# KiCad board SuperBrick5.kicad_pcb (continued)
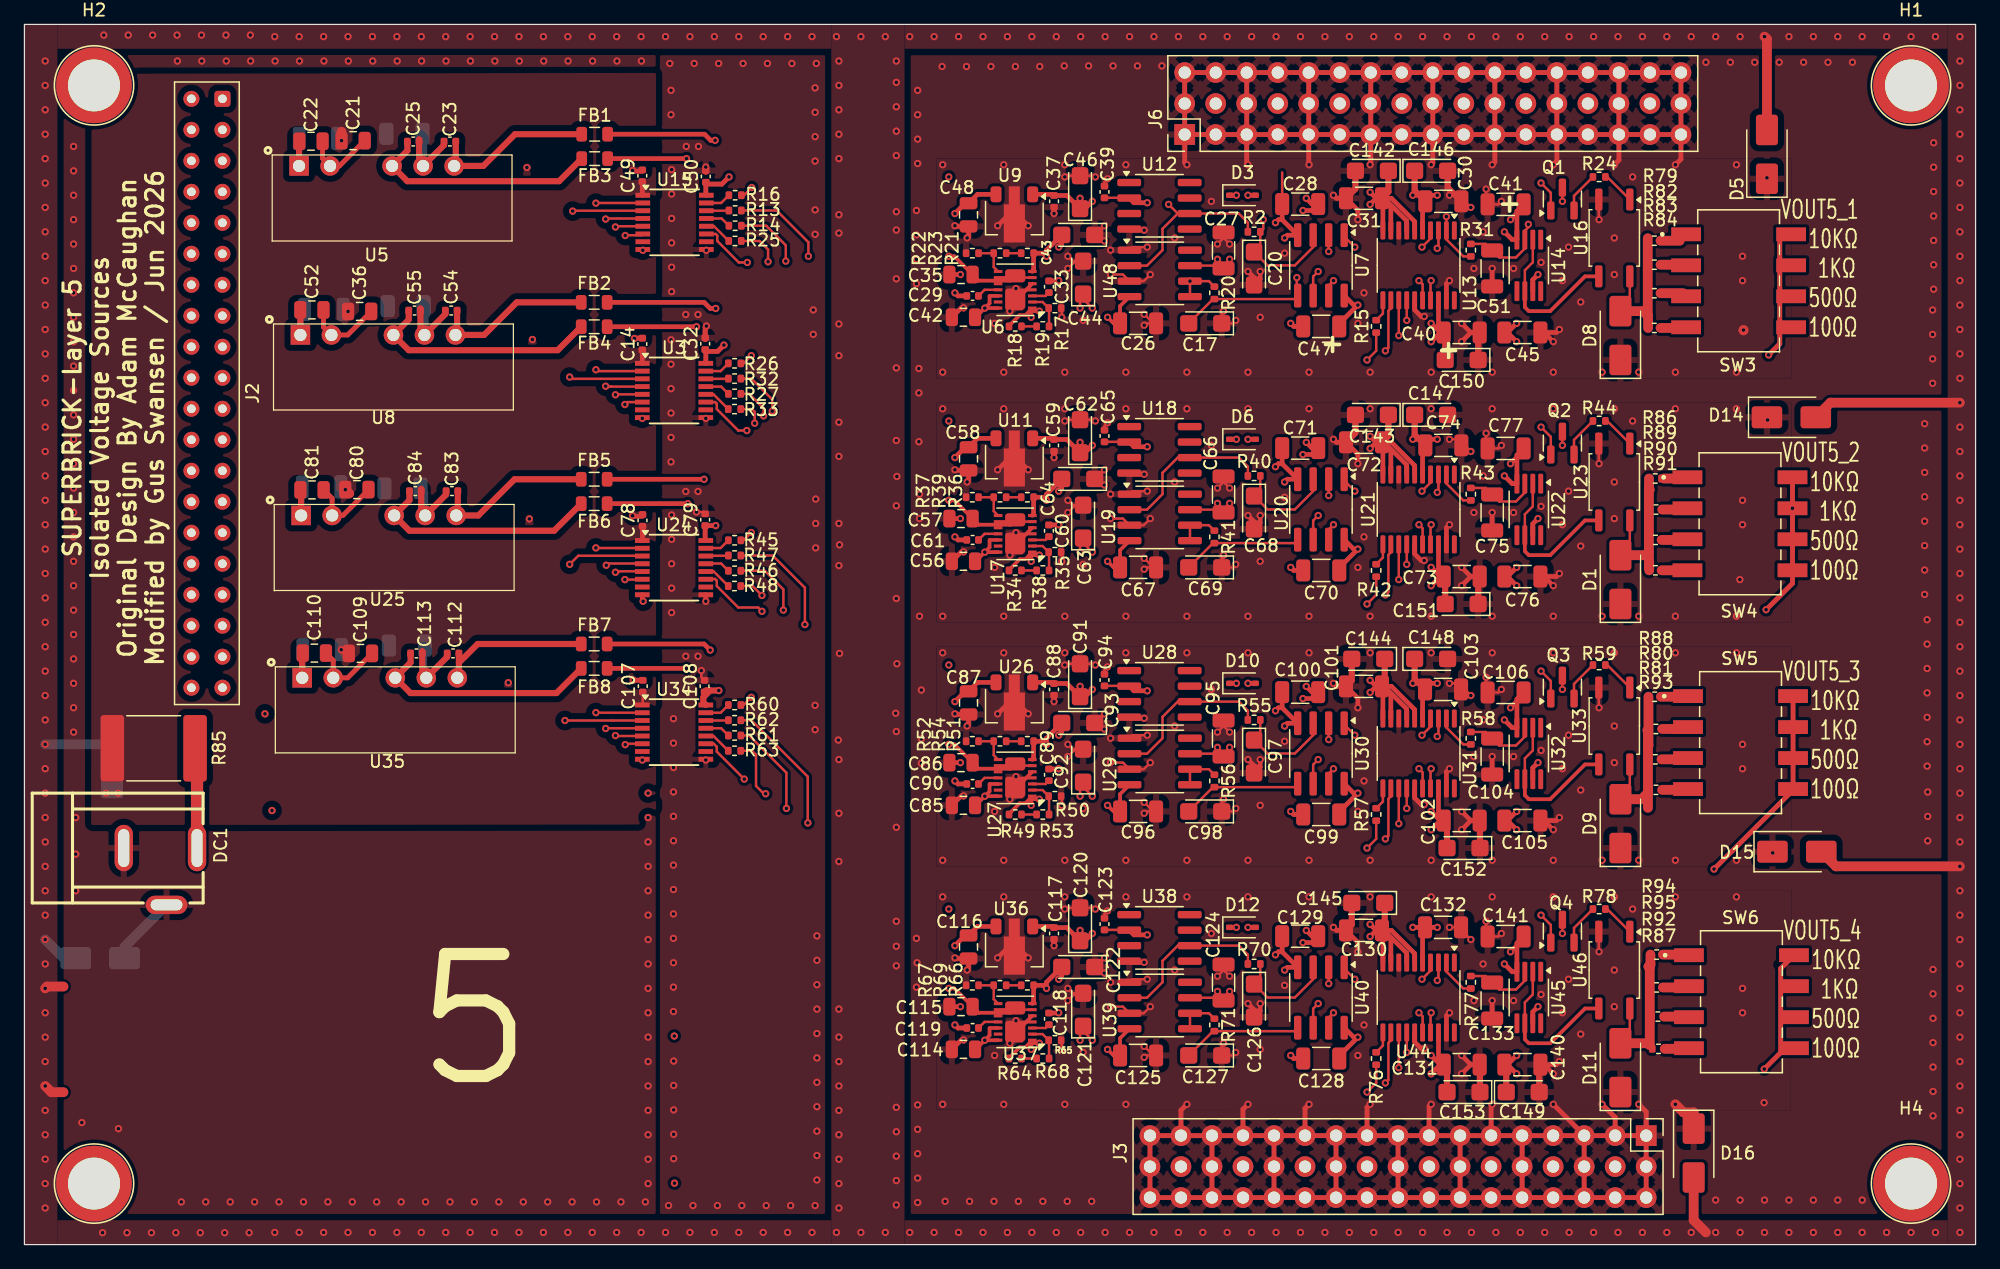
[diagram p0: board, top side]
## Library data of the parts (continued)
U9 U11 U26 U36 = -: Datasheet: https://www.onsemi.com/pub/Collateral/MC78L00A-D.PDF; Description: Positive 100mA 30V Linear Regulator, Fixed Output 5V, SOT-89; LCSC: C71136; ki_fp_filters: SOT?89*
U12 U18 U28 U38 = -: Datasheet: http://www.ti.com/lit/ds/symlink/ref102.pdf; Description: 10V ±10mV Precision Voltage Reference, SO-8; LCSC: C183082; ki_fp_filters: SOIC*3.9x4.9mm*P1.27mm*
U13 U21 U31 U44 = -: Datasheet: https://www.analog.com/media/en/technical-documentation/data-sheets/ad5781.pdf; Description: 18Bit, ±0,5 LSB INL, Voltage Output DAC, TSSOP-20; LCSC: C650269; ki_fp_filters: TSSOP*4.4?6.5mm*P0.65mm*
U14 U22 U32 U45 = -: Datasheet: https://www.analog.com/media/en/technical-documentation/data-sheets/AD8675.pdf; Description: 36 V Precision, 2.8 nV/√Hz Rail-to-Rail Output Op Amp; LCSC: C208295
U16 U23 U33 U46 = -: Datasheet: https://wmsc.lcsc.com/wmsc/upload/file/pdf/v2/lcsc/2211281630_Omron-Electronics-G3VM-61VY3-TR_C2152318.pdf; Description: 1.2V 40V 60mΩ 2.5A SOP-4 Solid State Relays (MOS Output) ROHS; LCSC: C7435104; ki_fp_filters: SO*4.4x3.9mm*P2.54mm*
U19 U29 U39 U48 = -: Datasheet: https://www.analog.com/media/en/technical-documentation/data-sheets/AD8276_8277.pdf; Description: Low Power, Wide Supply Range, Low Cost Unity-Gain Difference Amplifier, SOIC-8/MSOP-8; LCSC: C514259; ki_fp_filters: SOIC*3.9x4.9mm*P1.27mm* MSOP*3x3mm*P0.65mm*

## Footprints (pads in the part's own frame, mm; a bottom-side part is the same pattern mirrored in y, then rotated)
C_0402_1005Metric
  rrect 0.56x0.62 smd: 1(-0.48,0) 2(0.48,0)
C_0805_2012Metric
  rrect 1x1.45 smd: 1(-0.95,0) 2(0.95,0)
C_1206_3216Metric
  rrect 1.15x1.8 smd: 1(-1.475,0) 2(1.475,0)
CP_EIA-3216-18_Kemet-A
  rrect 1.4x1.35 smd: 1(-1.35,0) 2(1.35,0)
D_SMA
  rrect 2.5x1.8 smd: 1(-2,0) 2(2,0)
D_SOD-323
  rrect 0.6x0.45 smd: 1(-1.05,0) 2(1.05,0)
DC-IN-TH_DC-005-A200
  oval 1.5x3.8 hole 0.9x3.1: 1(3,2.33) 2(-3,2.33)
  oval 3.4x1.5 hole 2.6x0.9: 3(0.5,-2.33)
Fuse_2920_7451Metric
  rrect 1.925x5.45 smd: 1(-3.388,0) 2(3.388,0)
L_0805_2012Metric
  rrect 0.875x1.2 smd: 1(-1.062,0) 2(1.062,0)
L_1206_3216Metric
  rrect 1.05x1.9 smd: 1(-1.575,0) 2(1.575,0)
Linear_DE14MA
  rect 0.7x0.25 smd: 1(-1.4,1.5) 2(-1.4,1) 3(-1.4,0.5) 5(-1.4,-0.5) 6(-1.4,-1) 7(-1.4,-1.5) 8(1.4,-1.5) 10(1.4,-0.5) 11(1.4,0) 12(1.4,0.5) 13(1.4,1) 14(1.4,1.5)
  custom 2.575x1.805 smd: 4(0,0.79)
  custom 2.575x1.07 smd: 9(0,-1.145)
MSOP-8_3x3mm_P0.65mm
  rrect 1.625x0.4 smd: 1(-2.112,0.975) 2(-2.112,0.325) 3(-2.112,-0.325) 4(-2.112,-0.975) 5(2.112,-0.975) 6(2.112,-0.325) 7(2.112,0.325) 8(2.112,0.975)
PinHeader_3x17_P2.54mm_Vertical
  rect 1.7x1.7 hole 1: 1(0,0)
  round 1.7 hole 1: 2(2.54,0) 3(5.08,0) 4(0,-2.54) 5(2.54,-2.54) 6(5.08,-2.54) 7(0,-5.08) 8(2.54,-5.08) 9(5.08,-5.08) 10(0,-7.62) 11(2.54,-7.62) 12(5.08,-7.62) 13(0,-10.16) 14(2.54,-10.16) 15(5.08,-10.16) 16(0,-12.7) 17(2.54,-12.7) 18(5.08,-12.7) 19(0,-15.24) 20(2.54,-15.24) 21(5.08,-15.24) 22(0,-17.78) 23(2.54,-17.78) 24(5.08,-17.78) 25(0,-20.32) 26(2.54,-20.32) 27(5.08,-20.32) 28(0,-22.86) 29(2.54,-22.86) 30(5.08,-22.86) 31(0,-25.4) 32(2.54,-25.4) 33(5.08,-25.4) 34(0,-27.94) 35(2.54,-27.94) 36(5.08,-27.94) 37(0,-30.48) 38(2.54,-30.48) 39(5.08,-30.48) 40(0,-33.02) 41(2.54,-33.02) 42(5.08,-33.02) 43(0,-35.56) 44(2.54,-35.56) 45(5.08,-35.56) 46(0,-38.1) 47(2.54,-38.1) 48(5.08,-38.1) 49(0,-40.64) 50(2.54,-40.64) 51(5.08,-40.64)
PWRM-TH_AXXXXS-2WR3
  rect 1.6x1.6 hole 1: 1(-6.35,0)
  round 1.6 hole 1: 2(-3.81,0) 4(1.27,0) 5(3.81,0) 6(6.35,0)
R_0402_1005Metric
  rrect 0.54x0.64 smd: 1(-0.51,0) 2(0.51,0)
Samtec_HLE-120-02-xx-DV-TE_2x20_P2.54mm_Horizontal
  rrect 1.31x1.31 hole 0.71: 1(0,0)
  round 1.31 hole 0.71: 2(0,-2.54) 3(2.54,0) 4(2.54,-2.54) 5(5.08,0) 6(5.08,-2.54) 7(7.62,0) 8(7.62,-2.54) 9(10.16,0) 10(10.16,-2.54) 11(12.7,0) 12(12.7,-2.54) 13(15.24,0) 14(15.24,-2.54) 15(17.78,0) 16(17.78,-2.54) 17(20.32,0) 18(20.32,-2.54) 19(22.86,0) 20(22.86,-2.54) 21(25.4,0) 22(25.4,-2.54) 23(27.94,0) 24(27.94,-2.54) 25(30.48,0) 26(30.48,-2.54) 27(33.02,0) 28(33.02,-2.54) 29(35.56,0) 30(35.56,-2.54) 31(38.1,0) 32(38.1,-2.54) 33(40.64,0) 34(40.64,-2.54) 35(43.18,0) 36(43.18,-2.54) 37(45.72,0) 38(45.72,-2.54) 39(48.26,0) 40(48.26,-2.54)
SMD_BD5.6-L5.6-W5.6-D4.1
  round 6.2 hole 4.25: 1(0,0)
SO-4_4.4x3.9mm_P2.54mm
  rrect 1.8x0.6 smd: 1(-3.15,1.27) 2(-3.15,-1.27) 3(3.15,-1.27) 4(3.15,1.27)
SOIC-8_3.9x4.9mm_P1.27mm
  rrect 1.95x0.6 smd: 1(-2.475,1.905) 2(-2.475,0.635) 3(-2.475,-0.635) 4(-2.475,-1.905) 5(2.475,-1.905) 6(2.475,-0.635) 7(2.475,0.635) 8(2.475,1.905)
SOT-23
  rrect 1.475x0.6 smd: 1(-0.938,0.95) 2(-0.938,-0.95) 3(0.938,0)
SOT-89-3
  rrect 1.3x0.9 smd: 1(-1.95,1.5) 3(-1.95,-1.5)
  custom 4.6x1.733 smd: 2(-1.863,0)
SSOP-16_3.9x4.9mm_P0.635mm
  rect 1.2x0.4 smd: 1(-2.6,2.223) 2(-2.6,1.587) 3(-2.6,0.953) 4(-2.6,0.318) 5(-2.6,-0.318) 6(-2.6,-0.953) 7(-2.6,-1.587) 8(-2.6,-2.223) 9(2.6,-2.223) 10(2.6,-1.587) 11(2.6,-0.953) 12(2.6,-0.318) 13(2.6,0.318) 14(2.6,0.953) 15(2.6,1.587) 16(2.6,2.223)
SW_219-4MST
  rect 2.44x1.13 smd: 1(-4.3,3.81) 2(-4.3,1.27) 3(-4.3,-1.27) 4(-4.3,-3.81) 5(4.3,-3.81) 6(4.3,-1.27) 7(4.3,1.27) 8(4.3,3.81)
TSSOP-20_4.4x6.5mm_P0.65mm
  rrect 1.475x0.4 smd: 1(-2.862,2.925) 2(-2.862,2.275) 3(-2.862,1.625) 4(-2.862,0.975) 5(-2.862,0.325) 6(-2.862,-0.325) 7(-2.862,-0.975) 8(-2.862,-1.625) 9(-2.862,-2.275) 10(-2.862,-2.925) 11(2.862,-2.925) 12(2.862,-2.275) 13(2.862,-1.625) 14(2.862,-0.975) 15(2.862,-0.325) 16(2.862,0.325) 17(2.862,0.975) 18(2.862,1.625) 19(2.862,2.275) 20(2.862,2.925)

## Nets
+5V: C14.1 C21.1 C36.1 C49.1 C78.1 C80.1 C107.1 C109.1 D7.1 L1.1 L2.1 L3.1 L4.1 R85.2 U3.1 U15.1 U24.1 U34.1
/Isolated DAC1/AD5781-1/VCC_ISO: C31.1 C37.2 C46.1 C50.1 C142.1 D3.2 Q1.3 U9.1 U13.6 U13.7 U13.9 U13.10 U15.16
/Isolated DAC1/AD5781-1/VDD_ISO: C27.2 C28.1 C30.1 C33.2 C39.1 C44.1 C45.1 C47.1 C146.1 D3.1 R18.2 U6.1 U7.8 U12.2 U13.5 U14.7 U48.7
/Isolated DAC1/AD5781-1/VSS_ISO: C26.1 C28.2 C29.2 C40.1 C41.1 C43.2 C47.2 C150.2 R21.2 U6.7 U7.4 U13.18 U14.4 U48.4
/Isolated DAC1/Power isolation/+15V_ISO: C42.1 C48.1 FB1.2 U6.12 U6.14 U9.3
/Isolated DAC1/Power isolation/-15V_ISO: C35.1 FB3.2 U6.6 U6.9 U6.10
/Isolated DAC2/AD5781-1/VCC_ISO: C32.1 C59.2 C62.1 C72.1 C143.1 D6.2 Q2.3 U3.16 U11.1 U21.6 U21.7 U21.9 U21.10
/Isolated DAC2/AD5781-1/VDD_ISO: C60.2 C63.1 C65.1 C66.2 C70.1 C71.1 C74.1 C76.1 C147.1 D6.1 R34.2 U17.1 U18.2 U19.7 U20.8 U21.5 U22.7
/Isolated DAC2/AD5781-1/VSS_ISO: C61.2 C64.2 C67.1 C70.2 C71.2 C73.1 C77.1 C151.2 R36.2 U17.7 U19.4 U20.4 U21.18 U22.4
/Isolated DAC2/Power isolation/+15V_ISO: C56.1 C58.1 FB2.2 U11.3 U17.12 U17.14
/Isolated DAC2/Power isolation/-15V_ISO: C57.1 FB4.2 U17.6 U17.9 U17.10
/Isolated DAC3/AD5781-1/VCC_ISO: C79.1 C88.2 C91.1 C101.1 C144.1 D10.2 Q3.3 U24.16 U26.1 U31.6 U31.7 U31.9 U31.10
/Isolated DAC3/AD5781-1/VDD_ISO: C89.2 C92.1 C94.1 C95.2 C99.1 C100.1 C103.1 C105.1 C148.1 D10.1 R49.2 U27.1 U28.2 U29.7 U30.8 U31.5 U32.7
/Isolated DAC3/AD5781-1/VSS_ISO: C90.2 C93.2 C96.1 C99.2 C100.2 C102.1 C106.1 C152.2 R51.2 U27.7 U29.4 U30.4 U31.18 U32.4
/Isolated DAC3/Power isolation/+15V_ISO: C85.1 C87.1 FB5.2 U26.3 U27.12 U27.14
/Isolated DAC3/Power isolation/-15V_ISO: C86.1 FB6.2 U27.6 U27.9 U27.10
/Isolated DAC4/AD5781-1/VCC_ISO: C108.1 C117.2 C120.1 C130.1 C145.1 D12.2 Q4.3 U34.16 U36.1 U44.6 U44.7 U44.9 U44.10
/Isolated DAC4/AD5781-1/VDD_ISO: C118.2 C121.1 C123.1 C124.2 C128.1 C129.1 C132.1 C140.1 C149.1 D12.1 R64.2 U37.1 U38.2 U39.7 U40.8 U44.5 U45.7
/Isolated DAC4/AD5781-1/VSS_ISO: C119.2 C122.2 C125.1 C128.2 C129.2 C131.1 C141.1 C153.2 R66.2 U37.7 U39.4 U40.4 U44.18 U45.4
/Isolated DAC4/Power isolation/+15V_ISO: C114.1 C116.1 FB7.2 U36.3 U37.12 U37.14
/Isolated DAC4/Power isolation/-15V_ISO: C115.1 FB8.2 U37.6 U37.9 U37.10
GND: C14.2 C21.2 C22.2 C24.1 C36.2 C49.2 C52.2 C53.1 C78.2 C80.2 C81.2 C82.1 C107.2 C109.2 C110.2 C111.1 D4.2 DC1.2 DC1.3 J2.1 J2.2 J2.3 J2.4 J2.5 J2.6 J2.13 J2.14 J2.15 J2.16 J2.26 J2.27 J2.28 U3.8 U5.2 U8.2 U15.8 U24.8 U25.2 U34.8 U35.2
/CS1_1: J2.7
/CS1_2: J2.8
/CS1_3: J2.9
/CS1_4: J2.10
/CS1_5: J2.11 U15.3
/CS1_6: J2.12
/CS2_1: J2.17
/CS2_2: J2.18
/CS2_3: J2.19
/CS2_4: J2.20
/CS2_5: J2.21 U3.3
/CS2_6: J2.22
/CS3_1: J2.29
/CS3_2: J2.30
/CS3_3: J2.31
/CS3_4: J2.32
/CS3_5: J2.33 U24.3
/CS3_6: J2.34
/CS4_1: J2.35
/CS4_2: J2.36
/CS4_3: J2.37
/CS4_4: J2.38
/CS4_5: J2.39 U34.3
/CS4_6: J2.40
/Isolated DAC1/+IN: R31.1 U13.2
/Isolated DAC1/+IN_LP: C51.1 R31.2 U14.3
/Isolated DAC1/AD5781-1/RELAY: Q1.1 R16.2
/Isolated DAC1/AD5781-1/SCLK: R14.2 U13.13
/Isolated DAC1/AD5781-1/SDIN: R25.2 U13.12
/Isolated DAC1/AD5781-1/SDO: R15.1 U15.11
/Isolated DAC1/AD5781-1/VBUF: U14.2 U14.6 U16.3
/Isolated DAC1/AD5781-1/~{SYNC}: R13.2 U13.14
/Isolated DAC1/VREFNEG1: R20.1 U48.5 U48.6
/Isolated DAC1/VREFNEG2: C17.2 R20.2 U7.5
/Isolated DAC1/VREFPOS1: R2.1 U12.6 U48.2
/Isolated DAC1/VREFPOS2: C20.1 R2.2 U7.3
/Isolated DAC2/+IN: R43.1 U21.2
/Isolated DAC2/+IN_LP: C75.1 R43.2 U22.3
/Isolated DAC2/AD5781-1/RELAY: Q2.1 R26.2
/Isolated DAC2/AD5781-1/SCLK: R27.2 U21.13
/Isolated DAC2/AD5781-1/SDIN: R33.2 U21.12
/Isolated DAC2/AD5781-1/SDO: R42.1 U3.11
/Isolated DAC2/AD5781-1/VBUF: U22.2 U22.6 U23.3
/Isolated DAC2/AD5781-1/~{SYNC}: R32.2 U21.14
/Isolated DAC2/VREFNEG1: R41.1 U19.5 U19.6
/Isolated DAC2/VREFNEG2: C69.2 R41.2 U20.5
/Isolated DAC2/VREFPOS1: R40.1 U18.6 U19.2
/Isolated DAC2/VREFPOS2: C68.1 R40.2 U20.3
/Isolated DAC3/+IN: R58.1 U31.2
/Isolated DAC3/+IN_LP: C104.1 R58.2 U32.3
/Isolated DAC3/AD5781-1/RELAY: Q3.1 R45.2
/Isolated DAC3/AD5781-1/SCLK: R46.2 U31.13
/Isolated DAC3/AD5781-1/SDIN: R48.2 U31.12
/Isolated DAC3/AD5781-1/SDO: R57.1 U24.11
/Isolated DAC3/AD5781-1/VBUF: U32.2 U32.6 U33.3
/Isolated DAC3/AD5781-1/~{SYNC}: R47.2 U31.14
/Isolated DAC3/VREFNEG1: R56.1 U29.5 U29.6
/Isolated DAC3/VREFNEG2: C98.2 R56.2 U30.5
/Isolated DAC3/VREFPOS1: R55.1 U28.6 U29.2
/Isolated DAC3/VREFPOS2: C97.1 R55.2 U30.3
/Isolated DAC4/+IN: R77.1 U44.2
/Isolated DAC4/+IN_LP: C133.1 R77.2 U45.3
/Isolated DAC4/AD5781-1/RELAY: Q4.1 R60.2
/Isolated DAC4/AD5781-1/SCLK: R61.2 U44.13
/Isolated DAC4/AD5781-1/SDIN: R63.2 U44.12
/Isolated DAC4/AD5781-1/SDO: R76.1 U34.11
/Isolated DAC4/AD5781-1/VBUF: U45.2 U45.6 U46.3
/Isolated DAC4/AD5781-1/~{SYNC}: R62.2 U44.14
/Isolated DAC4/VREFNEG1: R71.1 U39.5 U39.6
/Isolated DAC4/VREFNEG2: C127.2 R71.2 U40.5
/Isolated DAC4/VREFPOS1: R70.1 U38.6 U39.2
/Isolated DAC4/VREFPOS2: C126.1 R70.2 U40.3
/OUTPUT_EN: U3.2 U15.2 U24.2 U34.2
/SCLK: J2.23 U3.4 U15.4 U24.4 U34.4
/SDIN: J2.24 U3.5 U15.5 U24.5 U34.5
/SDO: J2.25 U3.6 U15.6 U24.6 U34.6
/VOUT1: D8.2 R79.1 R82.1 R83.1 R84.1 U16.4
/VOUT2: D1.2 R86.1 R89.1 R90.1 R91.1 U23.4
/VOUT2_1_MUX: J6.23
/VOUT2_2_MUX: J6.11
/VOUT2_3_MUX: J3.47
/VOUT2_4_MUX: J3.35
/VOUT3: D9.2 R80.1 R81.1 R88.1 R93.1 U33.4
/VOUT3_1_MUX: J3.23
/VOUT3_2_MUX: J3.17
/VOUT3_3_MUX: J6.41
/VOUT3_4_MUX: J6.47
/VOUT4: D11.2 R87.1 R92.1 R94.1 R95.1 U46.4
/VOUT4_1_MUX: J6.35
/VOUT4_2_MUX: J6.29
/VOUT4_3_MUX: J6.17
/VOUT4_4_MUX: J6.5
/VOUT5_1_MUX: J3.41 SW3.5 SW3.6 SW3.7 SW3.8
/VOUT5_2_MUX: J3.29 SW4.5 SW4.6 SW4.7 SW4.8
/VOUT5_3_MUX: J3.11 SW5.5 SW5.6 SW5.7 SW5.8
/VOUT5_4_MUX: J3.5 SW6.5 SW6.6 SW6.7 SW6.8
MD_GND_ISO: C17.1 C20.2 C23.2 C24.2 C25.1 C26.2 C27.1 C30.2 C31.2 C32.2 C35.2 C37.1 C39.2 C40.2 C41.2 C42.2 C43.1 C44.2 C45.2 C46.2 C48.2 C50.2 C51.2 C53.2 C54.2 C55.1 C56.2 C57.2 C58.2 C59.1 C62.2 C63.2 C64.1 C65.2 C66.1 C67.2 C68.2 C69.1 C72.2 C73.2 C74.2 C75.2 C76.2 C77.2 C79.2 C82.2 C83.2 C84.1 C85.2 C86.2 C87.2 C88.1 C91.2 C92.2 C93.1 C94.2 C95.1 C96.2 C97.2 C98.1 C101.2 C102.2 C103.2 C104.2 C105.2 C106.2 C108.2 C111.2 C112.2 C113.1 C114.2 C115.2 C116.2 C117.1 C120.2 C121.2 C122.1 C123.2 C124.1 C125.2 C126.2 C127.1 C130.2 C131.2 C132.2 C133.2 C140.2 C141.2 C142.2 C143.2 C144.2 C145.2 C146.2 C147.2 C148.2 C149.2 C150.1 C151.1 C152.1 C153.1 D1.1 D5.1 D8.1 D9.1 D11.1 D14.1 D15.1 D16.1 J3.1 J3.2 J3.3 J3.4 J3.6 J3.7 J3.8 J3.9 J3.10 J3.12 J3.13 J3.14 J3.15 J3.16 J3.18 J3.19 J3.20 J3.21 J3.22 J3.24 J3.25 J3.26 J3.27 J3.28 J3.30 J3.31 J3.32 J3.33 J3.34 J3.36 J3.37 J3.38 J3.39 J3.40 J3.42 J3.43 J3.44 J3.45 J3.46 J3.48 J3.49 J3.50 J3.51 J6.1 J6.2 J6.3 J6.4 J6.6 J6.7 J6.8 J6.9 J6.10 J6.12 J6.13 J6.14 J6.15 J6.16 J6.18 J6.19 J6.20 J6.21 J6.22 J6.24 J6.25 J6.26 J6.27 J6.28 J6.30 J6.31 J6.32 J6.33 J6.34 J6.36 J6.37 J6.38 J6.39 J6.40 J6.42 J6.43 J6.44 J6.45 J6.46 J6.48 J6.49 J6.50 J6.51 R17.2 R22.2 R35.2 R37.2 R50.2 R52.2 R65.2 R67.2 U3.9 U5.5 U6.4 U6.5 U8.5 U9.2 U11.2 U12.4 U13.8 U13.15 U13.19 U15.9 U16.2 U17.4 U17.5 U18.4 U19.1 U19.3 U21.8 U21.15 U21.19 U23.2 U24.9 U25.5 U26.2 U27.4 U27.5 U28.4 U29.1 U29.3 U31.8 U31.15 U31.19 U33.2 U34.9 U35.5 U36.2 U37.4 U37.5 U38.4 U39.1 U39.3 U44.8 U44.15 U44.19 U46.2 U48.1 U48.3
SHIELD: D4.1 D5.2 D7.2 D14.2 D15.2 D16.2 H1.1 H2.1 H3.1 H4.1
Net-(DC1-Pad1): DC1.1 R85.1
Net-(Q1-E): Q1.2 R24.2
Net-(Q2-E): Q2.2 R44.2
Net-(Q3-E): Q3.2 R59.2
Net-(Q4-E): Q4.2 R78.2
Net-(R18-Pad1): R18.1 R19.1
Net-(R21-Pad1): R21.1 R23.1
Net-(R24-Pad1): R24.1 U16.1
Net-(R34-Pad1): R34.1 R38.1
Net-(R36-Pad1): R36.1 R39.1
Net-(R44-Pad1): R44.1 U23.1
Net-(R49-Pad1): R49.1 R53.1
Net-(R51-Pad1): R51.1 R54.1
Net-(R59-Pad1): R59.1 U33.1
Net-(R64-Pad1): R64.1 R68.1
Net-(R66-Pad1): R66.1 R69.1
Net-(R78-Pad1): R78.1 U46.1
Net-(R79-Pad2): R79.2 SW3.1
Net-(R80-Pad2): R80.2 SW5.2
Net-(R81-Pad2): R81.2 SW5.3
Net-(R82-Pad2): R82.2 SW3.2
Net-(R83-Pad2): R83.2 SW3.3
Net-(R84-Pad2): R84.2 SW3.4
Net-(R86-Pad2): R86.2 SW4.1
Net-(R87-Pad2): R87.2 SW6.4
Net-(R88-Pad2): R88.2 SW5.1
Net-(R89-Pad2): R89.2 SW4.2
Net-(R90-Pad2): R90.2 SW4.3
Net-(R91-Pad2): R91.2 SW4.4
Net-(R92-Pad2): R92.2 SW6.3
Net-(R93-Pad2): R93.2 SW5.4
Net-(R94-Pad2): R94.2 SW6.1
Net-(R95-Pad2): R95.2 SW6.2
Net-(U3-OUTA): R26.1 U3.15
Net-(U3-OUTB): R32.1 U3.14
Net-(U3-OUTC): R27.1 U3.13
Net-(U3-OUTD): R33.1 U3.12
Net-(U5-+VO): C23.1 FB1.1 U5.6
Net-(U5--VO): C25.2 FB3.1 U5.4
Net-(U5-VIN): C22.1 L1.2 U5.1
Net-(U6A-ADJP): R17.1 R19.2 U6.2
Net-(U6A-BYPP): C33.1 U6.3
Net-(U6B-ADJN): R22.1 R23.2 U6.8
Net-(U6B-BYPN): C29.1 U6.11
Net-(U8-+VO): C54.1 FB2.1 U8.6
Net-(U8--VO): C55.2 FB4.1 U8.4
Net-(U8-VIN): C52.1 L2.2 U8.1
Net-(U13-SDO): R15.2 U13.11
Net-(U13-V_{REFNF}): U7.7 U13.16
Net-(U13-V_{REFNS}): U7.6 U13.17
Net-(U13-V_{REFPF}): U7.1 U13.4
Net-(U13-V_{REFPS}): U7.2 U13.3
Net-(U15-OUTA): R16.1 U15.15
Net-(U15-OUTB): R13.1 U15.14
Net-(U15-OUTC): R14.1 U15.13
Net-(U15-OUTD): R25.1 U15.12
Net-(U17A-ADJP): R35.1 R38.2 U17.2
Net-(U17A-BYPP): C60.1 U17.3
Net-(U17B-ADJN): R37.1 R39.2 U17.8
Net-(U17B-BYPN): C61.1 U17.11
Net-(U20A--): U20.2 U21.3
Net-(U20B--): U20.6 U21.17
Net-(U21-SDO): R42.2 U21.11
Net-(U21-V_{REFNF}): U20.7 U21.16
Net-(U21-V_{REFPF}): U20.1 U21.4
Net-(U24-OUTA): R45.1 U24.15
Net-(U24-OUTB): R47.1 U24.14
Net-(U24-OUTC): R46.1 U24.13
Net-(U24-OUTD): R48.1 U24.12
Net-(U25-+VO): C83.1 FB5.1 U25.6
Net-(U25--VO): C84.2 FB6.1 U25.4
Net-(U25-VIN): C81.1 L3.2 U25.1
Net-(U27A-ADJP): R50.1 R53.2 U27.2
Net-(U27A-BYPP): C89.1 U27.3
Net-(U27B-ADJN): R52.1 R54.2 U27.8
Net-(U27B-BYPN): C90.1 U27.11
Net-(U30A--): U30.2 U31.3
Net-(U30B--): U30.6 U31.17
Net-(U31-SDO): R57.2 U31.11
Net-(U31-V_{REFNF}): U30.7 U31.16
Net-(U31-V_{REFPF}): U30.1 U31.4
Net-(U34-OUTA): R60.1 U34.15
Net-(U34-OUTB): R62.1 U34.14
Net-(U34-OUTC): R61.1 U34.13
Net-(U34-OUTD): R63.1 U34.12
Net-(U35-+VO): C112.1 FB7.1 U35.6
Net-(U35--VO): C113.2 FB8.1 U35.4
Net-(U35-VIN): C110.1 L4.2 U35.1
Net-(U37A-ADJP): R65.1 R68.2 U37.2
Net-(U37A-BYPP): C118.1 U37.3
Net-(U37B-ADJN): R67.1 R69.2 U37.8
Net-(U37B-BYPN): C119.1 U37.11
Net-(U40A--): U40.2 U44.3
Net-(U40B--): U40.6 U44.17
Net-(U44-SDO): R76.2 U44.11
Net-(U44-V_{REFNF}): U40.7 U44.16
Net-(U44-V_{REFPF}): U40.1 U44.4

Pads without a net: U3 7 10; U6 13; U12 1 3 5 7 8; U13 1 20; U14 1 5 8; U15 7 10; U17 13; U18 1 3 5 7 8; U19 8; U21 1 20; U22 1 5 8; U24 7 10; U27 13; U28 1 3 5 7 8; U29 8; U31 1 20; U32 1 5 8; U34 7 10; U37 13; U38 1 3 5 7 8; U39 8; U44 1 20; U45 1 5 8; U48 8

## Via types
v1: diameter 0.6, hole 0.3, Top to Bottom, 1238 vias

## Routing (per net, layer and track width the routed paths; a pad name or vN(x,y) marks a point on that pad's centre or on a via; arc(x,y) is an arc through that point)
+5V: length 7.6
  Top w0.2: C107.1 50.64,44.26 U34.1 ; 50.6,57.72 50.6,58.7 50.62,58.72 ; U15.1 50.64,86.02 50.6,86.07
  Top w0.4: C109.1 26.24,48.45 v1(25.94,48.75) ; U24.1 50.62,57.72 C78.1 ; U15.1 50.6,86.04 50.6,87.01 ; U3.1 C14.1
  Top w0.8: 26.5,76.53 v1(26.5,76.48) ; 26.28,62.01 v1(26.28,61.87) 26.6,61.55 ; 25.97,91.2 v1(25.97,90.47)
  vias: v1(6.67,37) v1(7.67,37)
/Isolated DAC1/AD5781-1/VCC_ISO: length 73.6
  Top w0.2: 55.74,86.1 U15.16 55.84,86.07 ; Q1.3 v1(125.95,85.5)
  Top w0.381: v1(87.45,85.5) 86.85,84.9 C46.1 ; C31.1 111.35,85.75 113.2,83.9 U13.7 ; C31.1 111.95,85.75 113.85,83.85 U13.6 ; C31.1 110.7,85.75 ; C31.1 111.9,85.02 U13.9 ; C31.1 111.25,85.67 U13.10 ; v1(110.2,86.25) 110.7,85.75 ; 110.7,85.75 v1(110.2,85.25) ; v1(100.2,86) D3.2 ; C46.1 85.37,85.98 C37.2 84.22,86.07 U9.1 ; C46.1 v1(86.45,85.75)
  Top w0.4: U15.16 55.8,86.04 55.8,86.91 57.11,86.91 v1(57.7,87.5)
  Top w0.5: C142.1 111.7,86.27 C31.1
  In2.Cu w0.2: 111.2,87.25 v1(110.2,86.25)
  In4.Cu w0.2: v1(110.2,86.25) v1(110.2,85.25)
  In4.Cu w0.381: v1(87.45,85.5) 88.24,86.29 98.56,86.29 98.96,86.69 99.54,86.69 100.2,86.03 v1(100.2,86) 100.89,86.69 109.76,86.69 v1(110.2,86.25)
  In4.Cu w0.5: v1(75.7,87.5) v1(57.7,87.5)
/Isolated DAC1/AD5781-1/VDD_ISO: length 34.1
  Top w0.2: 98.2,80.25 v1(98.7,80.75) ; 98.2,80.25 C27.2 97.97,80.23 U48.7 ; 98.2,80.25 v1(97.7,80.75) ; 86.45,77.9 86.45,77.75 v1(87.45,76.75) ; C39.1 90.45,85.79 U12.2 ; C44.1 86.45,77.65 v1(86.45,76.75)
  Top w0.3: 82.31,76.5 81.97,76.17 81.5,76.17 80.63,75.3 R18.2 ; 82.31,76.5 v1(83.11,76.5) ; 82.31,76.5 82.45,76.36 v1(82.45,76)
  Top w0.381: v1(115.7,86) 115.23,86 C30.1 ; v1(99.25,86) D3.1 ; U12.2 90.86,85.38 v1(91.95,85.38) ; C33.2 84.68,78.98 v1(84.7,79) ; v1(123.95,79.5) 123.52,79.07 U14.7 ; 121.45,74.75 v1(122.2,75.5) ; 121.45,74.75 C45.1 ; 121.45,74.75 v1(122.2,74) ; U7.8 108.85,77 v1(109.2,77) 107.67,75.47 C47.1 ; C30.1 114.5,85.27 U13.5 ; C30.1 114.23,86 v1(113.7,86) ; v1(104.97,85.75) 105.45,85.27 C28.1 105.42,84.75 v1(104.7,84.75)
  Top w0.5: C30.1 113.85,86.38 C146.1
/Isolated DAC1/AD5781-1/VSS_ISO: length 33.3
  Top w0.2: 103,87.87 C28.2
  Top w0.3: U48.4 89.72,76.91 C26.1 89.2,75.5 v1(88.7,76)
  Top w0.381: 115.95,74.75 C40.1 115.8,75.17 U13.18 ; 115.95,74.75 v1(115.2,74) ; 115.95,74.75 v1(115.2,75.5) ; C28.2 103,84 ; 103,84 102.69,84 v1(102.45,83.75) ; 103,84 U7.4 103.42,82.72 v1(103.2,82.5) ; 82.54,79.77 82.65,79.88 R21.2 83.45,81.25 v1(83.7,81) 83.7,81.5 C43.2 84.95,82 v1(84.7,81.75) ; v1(103.7,75.5) 103.95,75.25 C47.2 ; v1(76.2,78) 76.45,77.75 C29.2 ; v1(121.7,84) 122.77,85.07 C41.1 122.23,84.7 U14.4 121.84,82.36 v1(121.2,83)
  Top w0.5: C150.2 116.35,74.62 C40.1
  In4.Cu w0.381: v1(115.2,75.5) 115.08,75.38
/Isolated DAC1/Power isolation/+15V_ISO: length 41.1
  Top w0.3: v1(78.65,76.75) 79.04,77.14 79.04,77.72 79.06,77.75 U6.12 ; v1(78.65,76.75) U6.14 ; v1(78.65,76.75) 77.9,76 C42.1
  Top w0.381: v1(56.56,90.5) 56.2,90.5 55.7,91 FB1.2 ; U9.3 78.05,86.07 C48.1 77.05,85.34 v1(76.2,84.5)
  In4.Cu w0.381: v1(76.2,84.5) 75.01,85.69 58.14,85.69 56.56,87.27 v1(56.56,90.5)
/Isolated DAC1/Power isolation/-15V_ISO: length 39.2
  Top w0.2: U6.9 81.28,79.25 U6.6
  Top w0.3: U6.9 80.74,79 78.15,79 C35.1 76.15,81 v1(75.7,81)
  Top w0.381: v1(54.22,89) FB3.2
  In4.Cu w0.381: v1(75.7,81) 75.01,81.69 61.44,81.69 54.22,88.91 v1(54.22,89)
/Isolated DAC2/AD5781-1/VCC_ISO: length 48.7
  Top w0.2: 55.75,72.29 55.8,72.24 U3.16 55.7,72.32 ; Q2.3 v1(125.95,65.5)
  Top w0.381: U21.6 113.85,63.85 111.95,65.75 C72.1 ; U21.7 113.2,63.9 111.35,65.75 C72.1 ; v1(110.2,66.25) 110.7,65.75 ; 110.7,65.75 C72.1 ; 110.7,65.75 v1(110.2,65.25) ; v1(87.45,65.5) 86.85,64.9 C62.1 ; C62.1 v1(86.45,65.75) ; C62.1 85.37,65.98 C59.2 84.22,66.07 U11.1 ; U21.10 111.25,65.67 C72.1 ; C72.1 111.9,65.02 U21.9 ; v1(100.2,66) D6.2
  Top w0.4: U3.16 55.8,73.15 55.75,73.2 56.76,73.2 v1(57.28,73.72)
  Top w0.5: C72.1 111.7,66.27 C143.1
  In4.Cu w0.5: v1(57.28,73.72) 58.67,73.72 59.95,73.75 74.2,68 74.7,67.5 v1(75.7,67.5)
/Isolated DAC2/AD5781-1/VDD_ISO: length 34.1
  Top w0.2: v1(86.45,56.75) 86.45,57.65 C63.1 ; v1(87.45,56.75) 86.45,57.75 86.45,57.9 ; 98.2,60.25 v1(97.7,60.75) ; 98.2,60.25 v1(98.7,60.75) ; 98.2,60.25 C66.2 97.97,60.23 U19.7 ; U18.2 90.45,65.79 C65.1
  Top w0.3: v1(83.11,56.5) 82.31,56.5 ; 82.31,56.5 82.45,56.36 v1(82.45,56) ; 82.31,56.5 81.97,56.17 81.5,56.17 80.63,55.3 R34.2
  Top w0.381: U20.8 108.85,57 v1(109.2,57) 107.67,55.47 C70.1 ; v1(91.95,65.38) 90.86,65.38 U18.2 ; v1(113.7,66) 114.23,66 C74.1 ; C74.1 115.23,66 v1(115.7,66) ; C74.1 114.5,65.27 U21.5 ; 121.45,54.75 v1(122.2,54) ; 121.45,54.75 v1(122.2,55.5) ; 121.45,54.75 C76.1 ; v1(104.97,65.75) 105.45,65.27 C71.1 105.42,64.75 v1(104.7,64.75) ; C60.2 84.68,58.98 v1(84.7,59) ; v1(99.25,66) D6.1 ; U22.7 123.52,59.07 v1(123.95,59.5)
  Top w0.5: C147.1 113.85,66.38 C74.1
/Isolated DAC2/AD5781-1/VSS_ISO: length 30.5
  Top w0.3: v1(88.7,56) 89.2,55.5 C67.1 89.72,56.91 U19.4
  Top w0.381: v1(84.7,61.75) 84.95,62 C64.2 83.7,61.5 v1(83.7,61) 83.45,61.25 R36.2 82.65,59.88 82.54,59.77 ; v1(115.2,54) 115.95,54.75 ; 115.95,54.75 C73.1 115.8,55.17 U21.18 ; 115.95,54.75 v1(115.2,55.5) ; 103,63.99 102.69,63.99 v1(102.45,63.75) ; 103,63.99 U20.4 103.42,62.72 v1(103.2,62.5) ; 103,63.99 C71.2 ; v1(121.7,64) 122.77,65.07 C77.1 122.23,64.7 U22.4 121.84,62.36 v1(121.2,63) ; v1(103.7,55.5) 103.95,55.25 C70.2 ; C61.2 76.45,57.75 v1(76.2,58)
  Top w0.5: C151.2 116.35,54.62 C73.1
/Isolated DAC2/Power isolation/+15V_ISO: length 43.8
  Top w0.3: U17.12 79.06,57.75 79.04,57.72 79.04,57.14 v1(78.65,56.75) ; U17.14 v1(78.65,56.75) ; v1(78.65,56.75) 77.9,56 C56.1
  Top w0.381: v1(76.2,64.5) 77.05,65.34 C58.1 78.05,66.07 U11.3 ; v1(56.61,76.72) 56.16,76.72 55.66,77.22 FB2.2
  In4.Cu w0.381: v1(76.2,64.5) 76.18,64.52 70.92,64.52 66.36,69.08 64.13,69.08 61.26,71.95 58.08,71.95 56.59,73.44 56.59,75.66 56.61,75.68 v1(56.61,76.72)
/Isolated DAC2/Power isolation/-15V_ISO: length 42.6
  Top w0.2: U17.9 81.28,59.25 U17.6
  Top w0.3: v1(75.7,61) 76.15,61 C57.1 78.15,59 80.74,59 U17.9
  Top w0.381: v1(55.04,75.22) FB4.2
  In4.Cu w0.381: v1(75.7,61) 72.65,64.05 68.5,64.05 61.39,71.16 57.63,71.16 55.04,73.75 v1(55.04,75.22)
/Isolated DAC3/AD5781-1/VCC_ISO: length 51.5
  Top w0.2: 55.8,58.87 55.85,58.93 ; Q3.3 v1(125.95,45.5) ; 55.8,57.79 55.8,57.72 55.7,57.82
  Top w0.381: C91.1 86.85,44.9 v1(87.45,45.5) ; C91.1 v1(86.45,45.75) ; C91.1 85.37,45.98 C88.2 84.22,46.07 U26.1 ; v1(110.2,46.25) 110.7,45.75 ; 110.7,45.75 C101.1 ; 110.7,45.75 v1(110.2,45.25) ; U31.6 113.85,43.85 111.95,45.75 C101.1 ; C101.1 111.25,45.67 U31.10 ; C101.1 111.35,45.75 113.2,43.9 U31.7 ; C101.1 111.9,45.02 U31.9 ; v1(100.2,46) D10.2
  Top w0.4: 55.75,57.75 C79.1 v1(56.61,58.93)
  Top w0.5: C101.1 111.4,45.97 C144.1
  In4.Cu w0.5: v1(56.61,58.93) 57.36,58.93 57.66,59.22 60.48,59.22 74.7,47.5 v1(75.7,47.5)
/Isolated DAC3/AD5781-1/VDD_ISO: length 34.1
  Top w0.2: U28.2 90.45,45.79 C94.1 ; 98.2,40.25 v1(98.7,40.75) ; 98.2,40.25 C95.2 97.97,40.23 U29.7 ; 98.2,40.25 v1(97.7,40.75) ; v1(86.45,36.75) 86.45,37.65 C92.1 ; 86.45,37.9 86.45,37.75 v1(87.45,36.75)
  Top w0.3: v1(82.45,36) 82.45,36.36 82.31,36.5 ; 82.31,36.5 81.97,36.17 81.5,36.17 80.63,35.3 R49.2 ; 82.31,36.5 v1(83.11,36.5)
  Top w0.381: v1(99.25,46) D10.1 ; 121.45,34.75 v1(122.2,35.5) ; 121.45,34.75 C105.1 ; 121.45,34.75 v1(122.2,34) ; v1(123.95,39.5) 123.52,39.07 U32.7 ; C103.1 114.2,46 v1(113.7,46) ; C103.1 115.2,46 v1(115.7,46) ; C103.1 114.5,45.3 U31.5 ; v1(104.97,45.75) 105.45,45.27 C100.1 105.42,44.75 v1(104.7,44.75) ; v1(84.7,39) 84.68,38.98 C89.2 ; U28.2 90.86,45.38 v1(91.95,45.38) ; C99.1 107.67,35.47 v1(109.2,37) 108.85,37 U30.8
  Top w0.5: C103.1 113.85,46.35 C148.1
/Isolated DAC3/AD5781-1/VSS_ISO: length 30.6
  Top w0.3: U29.4 89.72,36.91 C96.1 89.2,35.5 v1(88.7,36)
  Top w0.381: v1(102.45,43.75) 102.69,43.99 103,43.99 ; v1(121.2,43) 121.84,42.36 U32.4 122.23,44.7 C106.1 122.77,45.07 v1(121.7,44) ; 82.54,39.77 82.65,39.88 R51.2 83.45,41.25 v1(83.7,41) 83.7,41.5 C93.2 84.95,42 v1(84.7,41.75) ; 103,43.99 U30.4 103.42,42.72 v1(103.2,42.5) ; 103,43.99 C100.2 ; U31.18 115.8,35.17 C102.1 115.95,34.75 ; C90.2 76.45,37.75 v1(76.2,38) ; C99.2 103.95,35.25 v1(103.7,35.5) ; 115.95,34.75 v1(115.2,35.5) ; 115.95,34.75 v1(115.2,34)
  Top w0.5: C152.2 116.5,34.47 C102.1
/Isolated DAC3/Power isolation/+15V_ISO: length 47.4
  Top w0.3: v1(78.65,36.75) 77.9,36 C85.1 ; v1(78.65,36.75) U27.14 ; v1(78.65,36.75) 79.04,37.14 79.04,37.72 79.06,37.75 U27.12
  Top w0.381: v1(76.2,44.5) 77.05,45.34 C87.1 78.05,46.07 U26.3 ; v1(55.66,62.72) FB5.2
  In4.Cu w0.381: 55.9,57.5 55.9,62.48 v1(55.66,62.72) ; 55.9,57.5 57.46,55.94 61.43,55.94 72.87,44.5 v1(76.2,44.5) ; 55.9,57.5 56.18,57.22
/Isolated DAC3/Power isolation/-15V_ISO: length 45.7
  Top w0.2: U27.9 81.28,39.25 U27.6
  Top w0.3: U27.9 80.74,39 78.15,39 C86.1 76.15,41 v1(75.7,41)
  Top w0.381: v1(54.33,60.72) FB6.2
  In4.Cu w0.381: v1(75.7,41) 61.23,55.47 56.82,55.47 54.33,57.96 v1(54.33,60.72)
/Isolated DAC4/AD5781-1/VCC_ISO: length 81.8
  Top w0.2: Q4.3 v1(125.95,25.5) ; 55.8,45.18 C108.1 ; 55.7,44.32 U34.16
  Top w0.381: C130.1 111.9,25.02 U44.9 ; C130.1 111.25,25.67 U44.10 ; C130.1 111.35,25.75 113.2,23.9 U44.7 ; C130.1 110.7,25.75 ; C130.1 111.95,25.75 113.85,23.85 U44.6 ; C120.1 v1(86.45,25.75) ; C120.1 85.37,25.98 C117.2 84.22,26.07 U36.1 ; C120.1 86.85,24.9 v1(87.45,25.5) ; v1(100.2,26) D12.2 ; 110.7,25.75 v1(110.2,25.25) ; 110.7,25.75 v1(110.2,26.25)
  Top w0.5: 56.15,45.41 55.82,45.41 C108.1 ; 56.15,45.41 55.6,44.85 55.6,44.43 55.78,44.24 55.8,44.24 ; 56.15,45.41 v1(56.87,45.41) ; C130.1 111.4,25.97 C145.1
  In4.Cu w0.381: v1(110.2,25.25) v1(110.2,26.25) 109.76,26.69 100.89,26.69 v1(100.2,26) 100.2,26.03 99.54,26.69 91.05,26.69 89.86,25.5 v1(87.45,25.5)
  In4.Cu w0.5: v1(75.7,27.5) 74.7,27.5 60.73,45.72 58.15,45.72 57.84,45.41 v1(56.87,45.41)
/Isolated DAC4/AD5781-1/VDD_ISO: length 33.6
  Top w0.2: C121.1 86.45,17.65 v1(86.45,16.75) ; 86.45,17.9 86.45,17.75 v1(87.45,16.75) ; 98.2,20.25 v1(97.7,20.75) ; 98.2,20.25 C124.2 97.97,20.23 U39.7 ; 98.2,20.25 v1(98.7,20.75) ; C123.1 90.45,25.79 U38.2
  Top w0.3: 82.31,16.5 81.97,16.17 81.5,16.17 80.63,15.3 R64.2 ; 82.31,16.5 82.45,16.36 v1(82.45,16) ; 82.31,16.5 v1(83.11,16.5)
  Top w0.381: U44.5 114.5,25.8 C132.1 ; v1(91.95,25.38) 90.86,25.38 U38.2 ; v1(104.7,24.75) 105.42,24.75 C129.1 105.45,25.27 v1(104.97,25.75) ; 121.45,14.75 v1(122.2,15.5) ; 121.45,14.75 C140.1 ; 121.45,14.75 v1(122.2,14) ; U45.7 123.52,19.07 v1(123.95,19.5) ; C118.2 84.68,18.98 v1(84.7,19) ; v1(113.7,26) C132.1 ; C132.1 v1(115.7,26) ; C128.1 107.67,15.47 v1(109.2,17) 108.85,17 U40.8 ; v1(99.25,26) D12.1
  Top w0.5: C140.1 121.35,14.6 C149.1
/Isolated DAC4/AD5781-1/VSS_ISO: length 30.7
  Top w0.3: v1(88.7,16) 89.2,15.5 C125.1 89.72,16.91 U39.4
  Top w0.381: 115.95,14.75 C131.1 115.8,15.17 U44.18 ; 115.95,14.75 v1(115.2,15.5) ; 115.95,14.75 v1(115.2,14) ; v1(84.7,21.75) 84.95,22 C122.2 83.7,21.5 v1(83.7,21) 83.45,21.25 R66.2 82.65,19.88 82.54,19.77 ; v1(102.45,23.75) 102.69,23.99 103,23.99 ; 103,23.99 U40.4 103.42,22.72 v1(103.2,22.5) ; 103,23.99 C129.2 ; v1(121.2,23) 121.84,22.36 U45.4 122.23,24.7 C141.1 122.77,25.07 v1(121.7,24) ; v1(76.2,18) 76.45,17.75 C119.2 ; C128.2 103.95,15.25 v1(103.7,15.5)
  Top w0.5: C153.2 116.5,14.47 C131.1
  In4.Cu w0.381: v1(115.2,15.5) 115.32,15.62
/Isolated DAC4/Power isolation/+15V_ISO: length 49.3
  Top w0.3: U37.14 v1(78.65,16.75) ; v1(78.65,16.75) 79.04,17.14 79.04,17.72 79.06,17.75 U37.12 ; v1(78.65,16.75) 77.9,16 C114.1
  Top w0.381: U36.3 78.05,26.07 C116.1 77.05,25.34 v1(76.2,24.5) ; FB7.2 55.66,49.22 v1(56.16,48.72)
  In4.Cu w0.381: v1(76.2,24.5) 56.12,44.58 56.12,47.19 56.16,47.22 v1(56.16,48.72)
/Isolated DAC4/Power isolation/-15V_ISO: length 49.7
  Top w0.2: U37.9 81.28,19.25 U37.6
  Top w0.3: v1(75.7,21) 76.15,21 C115.1 78.15,19 80.74,19 U37.9
  Top w0.381: v1(54.22,47.22) FB8.2
  In4.Cu w0.3: 75.7,21.19 v1(75.7,21)
  In4.Cu w0.381: v1(54.22,47.22) 54.22,45.47 75.51,24.18 75.51,21.19 v1(75.7,21)
GND: length 34.7
  Top w0.381: v1(50.67,52.72) 50.6,52.79 50.6,53.28 ; C107.2 49.88,46.24 v1(49.86,46.27) ; U3.8 v1(50.6,67.71) ; U15.8 v1(50.64,81.49) ; U34.8 v1(50.6,39.71) ; 50.62,59.68 49.86,59.68 v1(49.8,59.73)
  Top w0.4: C22.2 24.42,89.01 U5.2 25.79,88.4 C21.2 27.85,90.47 27.82,90.5 ; v1(49.96,74.26) 49.98,74.28 C14.2 ; 28.47,48.45 C109.2 26.47,46.45 U35.2 25.29,47.88 C110.2 ; C52.2 24.49,75.2 U8.2 26.47,74.55 C36.2 28.42,76.48 28.43,76.47 ; v1(49.8,88.03) 49.86,87.97 50.6,87.97 ; C81.2 25.2,61.15 U25.2 26.08,59.75 28.2,61.87 C80.2
  Bottom w0.8: D4.2 8.2,24.4 DC1.3
  vias: v1(4.02,90) v1(4.02,88) v1(4.02,86) v1(4.02,84) v1(4.02,82) v1(4.02,80) v1(4.02,78) v1(4.02,76) v1(4.02,74) v1(4.02,72) v1(4.02,70) v1(4.02,68) v1(4.02,66) v1(4.02,64) v1(4.02,62) v1(4.02,60) v1(4.02,58) v1(4.02,56) v1(4.02,54) v1(4.02,52) v1(4.02,50) v1(4.02,48) v1(4.02,46) v1(4.02,44) v1(4.02,42) v1(4.2,35) v1(4.2,32) v1(4.2,29) v1(4.7,10) v1(7.7,9.5) v1(12.52,97) v1(12.85,3.5) v1(14.52,97) v1(14.85,3.5) v1(16.53,97) v1(16.85,3.5) v1(18.53,97) v1(18.85,3.5) v1(19.7,43.5) v1(20.28,35.57) v1(20.53,97) v1(20.85,3.5) v1(22.53,97) v1(22.85,3.5) v1(24.53,97) v1(24.85,3.5) v1(26.53,97) v1(26.85,3.5) v1(28.53,97) v1(28.85,3.5) v1(30.53,97) v1(30.85,3.5) v1(32.53,97) v1(32.85,3.5) v1(34.53,97) v1(34.85,3.5) v1(36.53,97) v1(36.85,3.5) v1(38.53,97) v1(38.85,3.5) v1(39.62,46.05) v1(40.53,97) v1(40.85,3.5) v1(41.15,88.27) v1(41.35,59.47) v1(41.6,74.17) v1(42.53,97) v1(42.85,3.5) v1(44.53,97) v1(44.85,3.5) v1(46.53,97) v1(46.85,3.5) v1(48.52,97) v1(48.85,3.5) v1(50.52,97) v1(50.85,3.5) v1(51.07,37) v1(51.07,35) v1(51.07,33) v1(51.07,31) v1(51.07,29) v1(51.07,27) v1(51.07,25) v1(51.07,23) v1(51.07,21) v1(51.07,19) v1(51.07,17) v1(51.07,15) v1(51.07,13) v1(51.07,11) v1(51.07,9) v1(51.07,7) v1(51.07,5)
